# Altium PCB Test.PcbDoc (part 2 of 7) (continued)
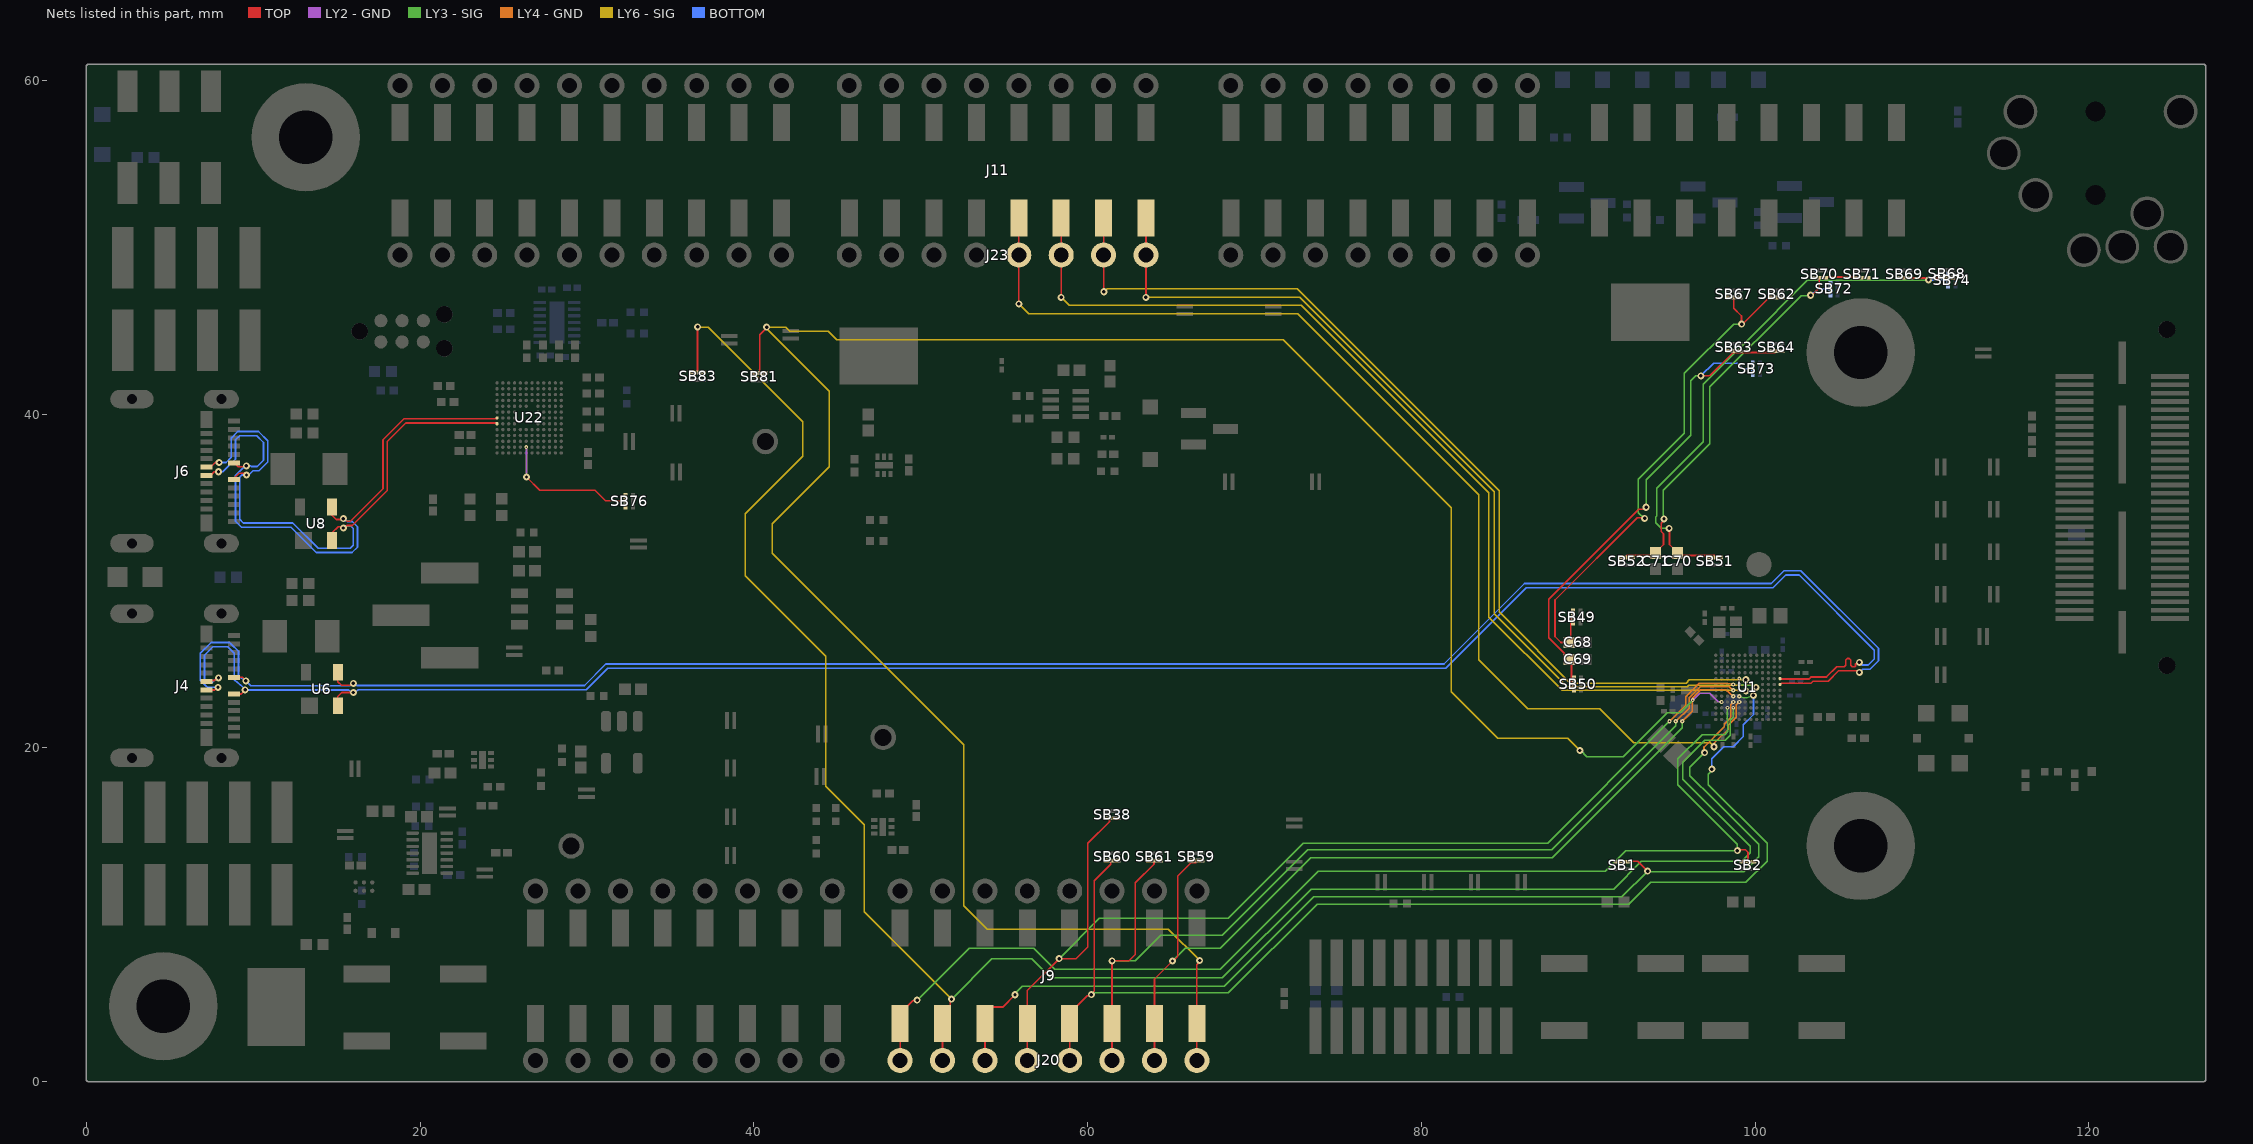
[diagram p8: the nets of this part, all layers, seen from the top]
## Part data (continued)
R76: library part CRCW04021K00FKED, "Res Thick Film 0402 1K Ohm 1% 1/16W ?00ppm/癈 Molded SMD Paper T/R", Case Code (Imperial)=0402, Case Code (Metric)=1005, Manufacturer="Vishay Dale", Max Operating Temperature=155癈, Max Power Dissipation=63mW, Min Operating Temperature=-55癈, Package Quantity=10, Resistance=1kR, Resistance Tolerance=1%, Resistor Type="Thick Film", Supplier Part Number 1=6788872, Temperature Coefficient=100ppm/癈, Voltage Rating=50V, AMBIQ PN=CRCW04021K00FKED, Case/Package=0402, Category="Chip SMD Resistors", ComponentLink1Description=https://datasheet.ciiva.com/11808/0900766b80d98824-11808638.pdf, ComponentLink1URL=https://datasheet.ciiva.com/11808/0900766b80d98824-11808638.pdf, ComponentLink2Description=https://datasheet.ciiva.com/2463/dcrcwe3-2463028.pdf, ComponentLink2URL=https://datasheet.ciiva.com/2463/dcrcwe3-2463028.pdf, ComponentLink3URL=https://datasheet.ciiva.com/2463/dcrcwe3-2463029.pdf, Construction=Rectangular, Contact Plating=Tin, Depth=0.5mm, Features="Automotive AEC-Q200", Height=0.35mm, Lead Free="Lead Free", Length=1mm, Manufacturer Part Number=CRCW04021K00FKED, Military Standard=Not, Mount="Surface Mount", Number of Pins=2, Number of Terminations=2, Packaging="Tape and Reel", Power Rating=63mW, Pricing 1="50=0.04800, 500=0.04400, 1000=0.04000, 2000=0.03500, 4000=0.03100 (GBP)", Radiation Hardening=No, REACH SVHC=Unknown, RoHS=Yes, RoHS Compliant=Yes, Series=CRCW, Size Code=0402, Stock 1=9350, Supplier 1=RSComponents, Technology="THICK FILM", Termination=SMD/SMT, Tolerance=1%, Voltage Rating (DC)=50V, Weight=2.3E-05oz, Width=0.5mm
R79: library part CRCW0402178KFKED, "Res Thick Film 0402 178K Ohm 1% 1/16W ?00ppm/癈 Molded SMD SMD Paper T/R", Case Code (Imperial)=0402, Case Code (Metric)=1005, Manufacturer=Vishay, Max Operating Temperature=155癈, Max Power Dissipation=63mW, Min Operating Temperature=-55癈, Package Quantity=10, Resistance=178kR, Resistance Tolerance=1%, Resistor Type="Thick Film", Supplier Part Number 1=71-CRCW0402-178K-E3, Temperature Coefficient=100ppm/癈, Voltage Rating=50V, AMBIQ PN=CRCW0402178KFKED, Case/Package=0402, Category="Chip SMD Resistors", ComponentLink1Description=https://datasheet.ciiva.com/11809/0900766b80d98824-11809658.pdf?src-supplier=RSComponents, ComponentLink1URL=https://datasheet.ciiva.com/11809/0900766b80d98824-11809658.pdf?src-supplier=RSComponents, ComponentLink2Description=https://datasheet.ciiva.com/6062/1697337-6062014.pdf?src-supplier=Farnell, ComponentLink2URL=https://datasheet.ciiva.com/6062/1697337-6062014.pdf?src-supplier=Farnell, ComponentLink3URL=https://datasheet.ciiva.com/3256/dcrcwe3-3256108.pdf?src-supplier=Avnet, Construction=Rectangular, Contact Plating=Tin, Depth=0.5mm, Features="Automotive AEC-Q200", Height=0.35mm, Lead Free="Lead Free", Length=1mm, Manufacturer Part Number=CRCW0402178KFKED, Military Standard=Not, Mount="Surface Mount", Number of Pins=2, Number of Terminations=2, Packaging="Tape and Reel", Power Rating=63mW, Pricing 1="1=0.11000, 10=0.04200, 50=0.04200, 100=0.01700, 1000=0.00900, 2500=0.00800, 5000=0.00700, 10000=0.00500 (USD)", Radiation Hardening=No, REACH SVHC=Unknown, RoHS=Yes, RoHS Compliant=Yes, Series=CRCW, Stock 1=9510, Supplier 1=Mouser, Technology="THICK FILM", Termination=SMD/SMT, Tolerance=1%, Voltage Rating (DC)=50V, Weight=2.3E-05oz, Width=0.02inch
R81: library part CRCW0201100KJNED, "Res Thick Film 0201 100K Ohm 5% 1/20W ?00ppm/癈 Molded SMD SMD Paper T/R", Case Code (Imperial)=0201, Case Code (Metric)=0603, Manufacturer="Vishay Dale", Max Operating Temperature=155癈, Max Power Dissipation=50mW, Min Operating Temperature=-55癈, Package Quantity=1, Resistance=100kR, Resistor Type="Thick Film", Temperature Coefficient=200ppm/癈, Tolerance=5%, Voltage Rating=30V, AMBIQ PN=CRCW0201100KJNED, Case/Package=0201, Category="Chip SMD Resistors", ComponentLink1Description=https://datasheet.ciiva.com/2498/crcw0201e3-2498780.pdf?src-supplier=Digi-Key, ComponentLink1URL=https://datasheet.ciiva.com/2498/crcw0201e3-2498780.pdf?src-supplier=Digi-Key, ComponentLink2Description=https://datasheet.ciiva.com/2498/crcw0201e3-2498781.pdf?src-supplier=Digi-Key, ComponentLink2URL=https://datasheet.ciiva.com/2498/crcw0201e3-2498781.pdf?src-supplier=Digi-Key, ComponentLink3URL=https://datasheet.ciiva.com/2498/crcw0201e3-2498779.pdf?src-supplier=Digi-Key, Contact Plating=Tin, Depth=0.3mm, Height=0.011inch, Lead Free="Lead Free", Length=0.6mm, Manufacturer Part Number=CRCW0201100KJNED, Military Standard=Not, Number of Pins=2, Number of Terminations=2, Packaging="Tape and Reel", Power Rating=50mW, Pricing 1="1=0.04320, 10=0.03110, 25=0.01910, 100=0.01380, 250=0.01370, 500=0.01360, 1000=0.00820, 3000=0.00460 (USD)", Radiation Hardening=No, REACH SVHC=Unknown, RoHS=Yes, RoHS Compliant=Yes, Stock 1=9000, Supplier 1="Arrow Electronics", Supplier Part Number 1=CRCW0201100KJNED, Voltage Rating (DC)=30V, Weight=6E-06oz, Width=0.3mm
SB1 SB2 SB9 SB10 SB11 SB12 SB13 SB17 SB30 SB31 SB32 SB33 SB34 SB35 SB36 SB40 SB42 SB43 SB44 SB45 SB47 SB53 SB54 SB55 SB56 SB58 SB59 SB60 SB61 SB62 SB63 SB67 SB68 SB69 SB70 SB75 SB76 SB77 SB78 SB79 SB80 SB81 SB82 SB83: library part SBS, "None", AMBIQ PN=SBS
SB3 SB4 SB5 SB6 SB7 SB8 SB15 SB16 SB37 SB38 SB39: "None"
  SB3 SB4 SB5 SB15: AMBIQ PN=SBO
  SB6 SB7 SB8 SB16 SB37 SB38 SB39: AMBIQ PN=SBS
SB48 SB49 SB50 SB51 SB52 SB64 SB71 SB72 SB73 SB74: library part SBO, "None", AMBIQ PN=SBO
SS1 SS2 SS3 SS4: library part 25502, "None", Color=Natural, Manufacturer="Keystone Electronics", Package Quantity=100, Supplier Part Number 1=5068490, AMBIQ PN=25502, Category="Spacers, Standoffs", ComponentLink1Description=http://www.keyelco.com/pdfs/M60/M60p72.pdf?src-supplier=Digi-Key, ComponentLink1URL=http://www.keyelco.com/pdfs/M60/M60p72.pdf?src-supplier=Digi-Key, ComponentLink2Description=http://www.keyelco.com/product-pdf.cfm?p=4539&src-supplier=Digi-Key, ComponentLink2URL=http://www.keyelco.com/product-pdf.cfm?p=4539&src-supplier=Digi-Key, ComponentLink3Description=http://www.keyelco.com/product.cfm/M3-x-5-0mm-Metric-Thread/25502/product_id/4540?src-supplier=Mouser, ComponentLink3URL=http://www.keyelco.com/product.cfm/M3-x-5-0mm-Metric-Thread/25502/product_id/4540?src-supplier=Mouser, Gender="Male, Female", Lead Free="Lead Free", Length=0.787inch, Manufacturer Part Number=25502, Material=Nylon, Outside Diameter=0.217inch, Pricing 1="100=0.38000, 400=0.32500, 1500=0.31500, 2500=0.31000, 5000=0.30500 (USD)", RoHS=Yes, Series=-, Size=0.197inch, Stock 1=439, Supplier 1="Future Electronics", Thread Size=M3, Threaded/Unthreaded=Threaded
SW1 SW2 SW3: library part KSC441J70SHLFS, "None", Contact Current Rating=50mA, Manufacturer="ITT C&K", Max Operating Temperature=85癈, Max Voltage Rating (DC)=32V, Min Operating Temperature=-40癈, Operating Force=5N, Package Quantity=1000, Power Rating=1W, Supplier Part Number 1=95W3295, Actuator Length=2.6mm, Actuator Type=Standard, AMBIQ PN=KSC441J70SHLFS, Category="Tactile Switches", Contact Material=Silver, Contact Plating=Silver, Current Rating=50mA, Depth=6.8mm, Illumination Type=Non-Illuminated,Illuminated, Length=6.2mm, Manufacturer Part Number=KSC441J70SHLFS, Max Current Rating=50mA, Mechanical Life=300000Cycles, Mount="Surface Mount", Orientation=Straight, Packaging="Tape and Reel", Pricing 1="1=0.62700, 10=0.61200, 25=0.59100, 50=0.55000, 100=0.50900, 250=0.47500 (USD)", RoHS=Yes, Series=KSC, Size=6.2mm, Stock 1=1740, Supplier 1=Newark, Switch Function=Off-Mom, Switch Travel=0.75mm, Termination=J-Bend, Throw Configuration=SPST, Voltage Rating (DC)=32V
SW4: "None", Actuator Color=Black, Contact Current Rating=300mA, Contact Resistance=70mR, Flammability Rating="UL94 V-2", Manufacturer="ITT C&K", Max Operating Temperature=85癈, Max Voltage Rating (DC)=6V, Min Operating Temperature=-20癈, Package Quantity=1, Actuator Length=2mm, Actuator Material=Nylon,Polyamide,PA46, Actuator Type=Standard, AMBIQ PN=JS202011SCQN, Category="Slide Switches", ComponentLink1Description=https://datasheet.ciiva.com/2889/js-29aug13-2889127.pdf?src-supplier=Digi-Key, ComponentLink1URL=https://datasheet.ciiva.com/2889/js-29aug13-2889127.pdf?src-supplier=Digi-Key, ComponentLink2Description=https://datasheet.ciiva.com/23829/1707718-23829488.pdf?src-supplier=Newark, ComponentLink2URL=https://datasheet.ciiva.com/23829/1707718-23829488.pdf?src-supplier=Newark, ComponentLink3Description=https://datasheet.ciiva.com/22630/1707718-22630697.pdf?src-supplier=Element14, ComponentLink3URL=https://datasheet.ciiva.com/22630/1707718-22630697.pdf?src-supplier=Element14, ComponentLink4Description=https://datasheet.ciiva.com/2889/js-15sept15-2889128.pdf?src-supplier=Digi-Key, ComponentLink4URL=https://datasheet.ciiva.com/2889/js-15sept15-2889128.pdf?src-supplier=Digi-Key, ComponentLink5Description=https://datasheet.ciiva.com/2889/js-15sept15-2889129.pdf?src-supplier=Digi-Key, ComponentLink5URL=https://datasheet.ciiva.com/2889/js-15sept15-2889129.pdf?src-supplier=Digi-Key, ComponentLink6Description=https://datasheet.ciiva.com/8625/js-9dec14-8625470.pdf?src-supplier=Avnet, ComponentLink6URL=https://datasheet.ciiva.com/8625/js-9dec14-8625470.pdf?src-supplier=Avnet, Contact Material="Copper Alloy", Contact Plating=Silver, Current Rating=300mA, Depth=7.5mm, Electrical Life=5000Cycles, Housing Material=Nylon, Lead Free="Lead Free", Length=9mm, Manufacturer Part Number=JS202011SCQN, Max Current Rating=300mA, Mount="Surface Mount", Orientation=Vertical, Packaging="Tape and Reel", Pricing 1="1=0.49180, 10=0.48690, 25=0.45850, 100=0.40340, 250=0.35430, 500=0.33760, 1000=0.29540, 3000=0.27960, 6000=0.26000 (USD)", Radiation Hardening=No, REACH SVHC="No SVHC", RoHS=Yes, RoHS Compliant=Yes, Series=JS, Stock 1=6839, Supplier 1="Arrow Electronics", Supplier Part Number 1=JS202011SCQN, Switch Function=On-On, Switch Travel=2mm, Termination="Gull Wing", Throw Configuration=DPDT, Voltage Rating (DC)=6V
TP1 TP8 TP9: library part TP_PAD, "None", AMBIQ PN=TP_PAD
TP2 TP3 TP4: library part 5117, "None", Color=Blue, Flammability Rating="UL94 V-0", Manufacturer="Keystone Electronics", Package Quantity=100, Supplier Part Number 1=95M2479, AMBIQ PN=5117, Body Material=PBT, Category=Uncategorized, ComponentLink1Description=https://datasheet.ciiva.com/2917/m60-2p60-2917660.pdf?src-supplier=Digi-Key, ComponentLink1URL=https://datasheet.ciiva.com/2917/m60-2p60-2917660.pdf?src-supplier=Digi-Key, ComponentLink2Description=https://datasheet.ciiva.com/16886/70182825-16886140.pdf?src-supplier=Allied+Electronics, ComponentLink2URL=https://datasheet.ciiva.com/16886/70182825-16886140.pdf?src-supplier=Allied+Electronics, Contact Material=Bronze, Contact Plating=Silver, Height=0.3inch, Lead Free="Lead Free", Manufacturer Part Number=5117, Material=Nylon,Bronze, Mount="Through Hole,PCB", Number of Pins=1, Packaging=Bulk, Pricing 1="1=0.37200, 10=0.35700, 100=0.26000, 500=0.22900, 1000=0.19700, 2500=0.18400, 10000=0.15500 (USD)", REACH SVHC="No SVHC", RoHS=Yes, RoHS Compliant=Yes, Series=THM, Stock 1=8464, Supplier 1=Newark
TP5 TP6 TP7: library part 5016, "None", Color=White, Manufacturer="Keystone Electronics", Package Quantity=1, Supplier Part Number 1=57J1845, AMBIQ PN=5016, Category=Connectors, ComponentLink1Description=https://datasheet.ciiva.com/6737/5016-6737476.pdf?src-supplier=Newark, ComponentLink1URL=https://datasheet.ciiva.com/6737/5016-6737476.pdf?src-supplier=Newark, ComponentLink2Description=https://datasheet.ciiva.com/4598/m60p61-29490-4598593.pdf?src-supplier=Mouser, ComponentLink2URL=https://datasheet.ciiva.com/4598/m60p61-29490-4598593.pdf?src-supplier=Mouser, ComponentLink3Description=https://datasheet.ciiva.com/16311/m60-2p61-16311518.pdf?src-supplier=Future+Electronics, ComponentLink3URL=https://datasheet.ciiva.com/16311/m60-2p61-16311518.pdf?src-supplier=Future+Electronics, ComponentLink4Description=https://datasheet.ciiva.com/16884/70182998-16884102.pdf?src-supplier=Allied+Electronics, ComponentLink4URL=https://datasheet.ciiva.com/16884/70182998-16884102.pdf?src-supplier=Allied+Electronics, ComponentLink5Description=https://datasheet.ciiva.com/2917/5016-2917611.pdf?src-supplier=Digi-Key, ComponentLink5URL=https://datasheet.ciiva.com/2917/5016-2917611.pdf?src-supplier=Digi-Key, ComponentLink6Description=https://datasheet.ciiva.com/2917/5016-2917612.pdf?src-supplier=Digi-Key, ComponentLink6URL=https://datasheet.ciiva.com/2917/5016-2917612.pdf?src-supplier=Digi-Key, ComponentLink7Description=https://datasheet.ciiva.com/2917/5016-2917613.pdf?src-supplier=Digi-Key, ComponentLink7URL=https://datasheet.ciiva.com/2917/5016-2917613.pdf?src-supplier=Digi-Key, Contact Material=Bronze, Contact Plating=Silver, Depth=2.48mm, Height=0.09inch, Insulation Material=Polycarbonate, Lead Free="Lead Free", Length=3.81mm, Manufacturer Part Number=5016, Material=Bronze,Silver, Mount="Surface Mount", Number of Ports=1, Orientation=Straight, Packaging="Tape and Reel", Pricing 1="1=0.15400, 1000=0.15300, 2000=0.14700, 4000=0.14100, 6000=0.13500 (USD)", REACH SVHC="No SVHC", RoHS=Yes, RoHS Compliant=Yes, Series=-, Stock 1=35000, Supplier 1=Newark, Termination=Solder
U1: library part APOLLO4BPKXR, "None", Manufacturer=AMBIQ, AMBIQ PN=APOLLO4BPKXR, Category=Microcontrollers, IC Type=MCU, Manufacturer Part Number=AMA4B2KK-KXR-B2
U2 U3 U4: "None", Dropout Voltage=140mV, Manufacturer="ON Semiconductor", Max Input Voltage=5.5V, Max Operating Temperature=85癈, Max Output Current=500mA, Max Output Voltage=3.6V, Min Current Limit=550mA, Min Input Voltage=800mV, Min Operating Temperature=-40癈, Package Quantity=3000, Power Supply Rejection Ratio (PSRR)=70dB, Accuracy=0.5%, AMBIQ PN=NCP133AMXADJTCG, Category="Voltage Regulators - Linear", ComponentLink1Description=https://datasheet.ciiva.com/46403/1863238-46403671.pdf?src-supplier=Element14, ComponentLink1URL=https://datasheet.ciiva.com/46403/1863238-46403671.pdf?src-supplier=Element14, Contact Plating=Tin,Matte, Height=0.4mm, Lead Free="Lead Free", Length=1.2mm, Manufacturer Part Number=NCP133AMXADJTCG, Min Output Voltage=800mV, Mount="Surface Mount", Number of Outputs=1, Number of Pins=6, Number of Regulators=1, Output Current=500mA, Output Type=Adjustable, Output Voltage=3.6V, Packaging="Tape and Reel", Polarity=Positive, Pricing 1="1=0.67860, 10=0.59180, 100=0.45310, 250=0.42120, 500=0.35830, 1000=0.28640, 3000=0.26440 (USD)", REACH SVHC="No SVHC", Reference Voltage=800mV, RoHS=Yes, RoHS Compliant=Yes, Stock 1=50943, Supplier 1="Arrow Electronics", Supplier Part Number 1=NCP133AMXADJTCG, Width=1.2mm
U5: "None", Manufacturer="Texas Instruments", Supplier Part Number 1=595-TPS7A0218DBVR, AMBIQ PN=TPS7A0218DBVR, Category="Voltage Regulators - Linear", Manufacturer Part Number=TPS7A0218DBVR, Pricing 1="1=1.58000, 10=1.42000, 25=1.35000, 50=1.35000, 100=1.11000, 250=1.04000, 500=0.91300, 1000=0.72100, 3000=0.69600, 10000=0.69600", RoHS=No, Stock 1=2935, Supplier 1=Mouser
U6 U8: library part PRTR5V0U2X,215, "None", Manufacturer=Nexperia, AMBIQ PN=PRTR5V0U2X,215, Category="ESD and Circuit Protection ICs", ComponentLink1Description=http://www.farnell.com/datasheets/109718.pdf?src-supplier=Farnell, ComponentLink1URL=http://www.farnell.com/datasheets/109718.pdf?src-supplier=Farnell, ComponentLink2Description=https://assets.nexperia.com/documents/data-sheet/PRTR5V0U2X.pdf?src-supplier=Digi-Key, ComponentLink2URL=https://assets.nexperia.com/documents/data-sheet/PRTR5V0U2X.pdf?src-supplier=Digi-Key, Manufacturer Part Number=PRTR5V0U2X,215, Pricing 1="3000=0.18050, 6000=0.16890, 15000=0.15880 (USD)", RoHS=Yes, RoHS Compliant=Yes, Stock 1=234000, Supplier 1="Arrow Electronics", Supplier Part Number 1=PRTR5V0U2X,215
U7: "None", Case/Package=TSOP, Current Rating=2.1A, Manufacturer="ON Semiconductor", Max Input Voltage=5.5V, Max Operating Temperature=85癈, Max Output Current=1A, Max Power Dissipation=350mW, Min Input Voltage=2.5V, Min Operating Temperature=-40癈, On-State Resistance=70mR, On-state Resistance-Max=110MR, Package Quantity=1, Supplier Part Number 1=42Y0754, AMBIQ PN=NCP380LSNAJAAT1G, Category="USB Interface ICs", Height=1mm, Interface=On/Off, Length=3mm, Manufacturer Part Number=NCP380LSNAJAAT1G, Mount="Surface Mount", Number of Inputs=2, Number of Outputs=1, Number of Pins=6, Number of Switches=1, Operating Supply Voltage=5.5V, Output Configuration="High Side", Packaging="Tape and Reel", Pricing 1="1=0.83000, 10=0.73100, 25=0.68600, 50=0.62300, 100=0.56000, 250=0.52000, 500=0.44300, 1000=0.35400 (USD)", Radiation Hardening=No, Rated Current-Max=2.1A, RoHS=Yes, Series=-, Stock 1=1700, Supplier 1=Newark, Turn-Off Delay Time=3ms, Turn-On Delay Time=4ms, Width=1.5mm
U14: "None", Case/Package=SC, Input Bias Current=0.01pA, Input Offset Voltage (Vos)=10uV, Manufacturer=Maxim, Max Operating Temperature=125癈, Max Supply Voltage=5.5V, Min Operating Temperature=-40癈, Min Supply Voltage=1.8V, Nominal Supply Current=1uA, Operating Supply Current=650uA, Output Current per Channel=50mA, Package Quantity=2500, Supplier Part Number 1=6085643, Voltage Gain=115dB, AMBIQ PN=MAX44263AXA+T, Amplifier Type="GENERAL PURPOSE", Bandwidth=15MHz, Category="Amplifiers - Op Amps, Buffer, Instrumentation", Common Mode Rejection Ratio=75dB, ComponentLink1Description=https://datasheet.ciiva.com/14084/max44260-max44263-14084824.pdf?src-supplier=Digi-Key, ComponentLink1URL=https://datasheet.ciiva.com/14084/max44260-max44263-14084824.pdf?src-supplier=Digi-Key, Gain Bandwidth Product=15MHz, Manufacturer Part Number=MAX44263AXA+T, Mount="Surface Mount", Number of Amplifiers=2, Number of Channels=2, Number of Circuits=2, Number of Pins=8, Packaging="Tape and Reel", Pricing 1="2500=1.52000, 5000=1.49000 (USD)", REACH SVHC=Unknown, RoHS=Yes, RoHS Compliant=Yes, Series=-, Slew Rate=7V/祍, Stock 1=2500, Supplier 1="Future Electronics", Supply Current=1uA, Technology=CMOS
U15 U18: library part TPS22976DPUT, "None", Dropout Voltage=250mV, Input Bias Current=120uA, Manufacturer="Texas Instruments", Max Input Voltage=6V, Max Operating Temperature=105癈, Max Output Current=6A, Max Output Voltage=5V, Min Input Voltage=2.3V, Min Operating Temperature=-40癈, Min Output Voltage=800mV, Output Current=1A, Output Voltage Accuracy=0.5%, Package Quantity=4000, Quiescent Current=220uA, Reference Voltage=410mV, Accuracy=0.5%, AMBIQ PN=TPS22976DPUT, Category="Power Management ICs", ComponentLink1Description=http://www.ti.com/general/docs/suppproductinfo.tsp?distId=10&amp;gotoUrl=http%3A%2F%2Fwww.ti.com%2Flit%2Fgpn%2Ftps22976&src-sup, ComponentLink1URL=http://www.ti.com/general/docs/suppproductinfo.tsp?distId=10&amp;gotoUrl=http%3A%2F%2Fwww.ti.com%2Flit%2Fgpn%2Ftps22976&src-sup, ComponentLink2Description=https://datasheet.ciiva.com/41458/001085984-da-01-en-ic-reg-ld-mcp1826t-adje-dc-sot-223-5-mcp-41458757.pdf?src-supplier=Conrad, ComponentLink2URL=https://datasheet.ciiva.com/41458/001085984-da-01-en-ic-reg-ld-mcp1826t-adje-dc-sot-223-5-mcp-41458757.pdf?src-supplier=Conrad, Fault Protection="Over Temperature", Halogen Free="Halogen Free", Height=0.065inch, Interface=On/Off, Lead Free="Lead Free", Length=0.257inch, Manufacturer Part Number=TPS22976DPUT, Max Supply Voltage=6V, Min Supply Voltage=2.3V, Number of Channels=2, Number of Outputs=2, Number of Pins=14, Output Configuration="High Side", Output Type=Adjustable, Output Voltage=5V, Packaging="Tape and Reel", Polarity=Positive, Pricing 1="1=0.70530, 10=0.67280, 25=0.64030, 100=0.60770, 250=0.57510 (USD)", Radiation Hardening=No, REACH SVHC="No SVHC", RoHS=Yes, RoHS Compliant=Yes, Stock 1=250, Supplier 1="Arrow Electronics", Supplier Part Number 1=TPS22976DPUT, Termination=SMD/SMT, Width=0.14inch
U16: library part TPS22922YFPR, "None", Manufacturer="Texas Instruments", Max Input Voltage=3.6V, Max Operating Temperature=85癈, Max Output Current=2A, Max Power Dissipation=645mW, Min Input Voltage=900mV, Min Operating Temperature=-40癈, Nominal Supply Current=120nA, On-State Resistance=45mR, Package Quantity=3000, Quiescent Current=200nA, AMBIQ PN=TPS22922YFPR, Category="Hot Swap Controllers", ComponentLink1Description=https://datasheet.ciiva.com/15103/getdatasheetpartid-215983-15103996.pdf?src-supplier=Verical, ComponentLink1URL=https://datasheet.ciiva.com/15103/getdatasheetpartid-215983-15103996.pdf?src-supplier=Verical, ComponentLink2Description=https://datasheet.ciiva.com/1962/tps22921-1962551.pdf?src-supplier=Digi-Key, ComponentLink2URL=https://datasheet.ciiva.com/1962/tps22921-1962551.pdf?src-supplier=Digi-Key, ComponentLink3Description=https://datasheet.ciiva.com/1962/tps22921-1962550., ComponentLink3URL=https://datasheet.ciiva.com/1962/tps22921-1962550., ComponentLink4Description=https://datasheet.ciiva.com/1962/tps22921-1962552., ComponentLink4URL=https://datasheet.ciiva.com/1962/tps22921-1962552., ComponentLink5Description=https://datasheet.ciiva.com/3233/tps22922b-3233573, ComponentLink5URL=https://datasheet.ciiva.com/3233/tps22922b-3233573, ComponentLink6Description=https://datasheet.ciiva.com/3234/ncp380-d-3234430., ComponentLink6URL=https://datasheet.ciiva.com/3234/ncp380-d-3234430., ComponentLink7Description=https://datasheet.ciiva.com/1939/ncp380-d-1939781., ComponentLink7URL=https://datasheet.ciiva.com/1939/ncp380-d-1939781., ComponentLink8Description=https://datasheet.ciiva.com/1939/ncp380-d-1939782., ComponentLink8URL=https://datasheet.ciiva.com/1939/ncp380-d-1939782., ComponentLink9Description=https://datasheet.ciiva.com/1939/ncp380-d-1939783., ComponentLink9URL=https://datasheet.ciiva.com/1939/ncp380-d-1939783., ComponentLink10Description=https://datasheet.ciiva.com/16468/ncp380-d-1646871, ComponentLink10URL=https://datasheet.ciiva.com/16468/ncp380-d-1646871, Halogen Free="Halogen Free", Interface=On/Off, Lead Free="Lead Free", Manufacturer Part Number=TPS22922YFPR, Number of Channels=1, Number of Outputs=1, Number of Pins=6, Operating Supply Voltage=3.6V, Output Configuration="High Side", Output Current=2A, Packaging="Tape and Reel", Power Dissipation=645mW, Pricing 1="1=0.96850, 10=0.86300, 25=0.81190, 100=0.66430, 250=0.61530, 500=0.53900, 1000=0.42280 (USD)", Radiation Hardening=No, Reach SVHC Compliant=Yes, RoHS=Yes, RoHS Compliant=Yes, Series=TPS22922, Stock 1=2092, Supplier 1="Arrow Electronics", Supplier Part Number 1=TPS22922YFPR, Supply Current=120nA, Turn-Off Delay Time=139us, Turn-On Delay Time=45us
U22: library part APOLLO4, "None", Manufacturer=AMBIQ, AMBIQ PN=APOLLO4, Category=Microcontrollers, IC Type=MCU, Manufacturer Part Number=AMAP42KK-KBR
Y1: library part ABM12W-32.0000MHZ-6-D1X-T3, "NONE", Case/Package=SMD/SMT, ESR (Equivalent Series Resistance)=100R, Frequency Stability=20ppm, Frequency Tolerance=10ppm, Load Capacitance=6pF, Manufacturer=Abracon, Max Operating Temperature=85癈, Min Operating Temperature=-40癈, Supplier Part Number 1=815-12W32-6D1XT, AMBIQ PN=ABM12W-32.0000MHZ-6-D1X-T3, Category=Crystals, ComponentLink1Description=https://abracon.com/Resonators/ABM12W.pdf?src-supplier=Digi-Key, ComponentLink1URL=https://abracon.com/Resonators/ABM12W.pdf?src-supplier=Digi-Key, Frequency=32MHz, Manufacturer Part Number=ABM12W-32.0000MHZ-6-D1X-T3, Mount="Surface Mount", Packaging="Tape and Reel", Pricing 1="1=0.99000, 10=0.88400, 50=0.88400, 100=0.73000, 1000=0.57600, 10000=0.53700 (USD)", RoHS=Yes, RoHS Compliant=Yes, Stock 1=2341, Supplier 1=Mouser
Y2: library part 9HT12-32.768KDZY-T, "NONE", Case/Package=SMD/SMT, ESR (Equivalent Series Resistance)=90kR, Frequency Tolerance=20ppm, Load Capacitance=7pF, Manufacturer=TXC, Max Operating Temperature=85癈, Min Operating Temperature=-40癈, Supplier Part Number 1=45AC5777, AMBIQ PN=9HT12-32.768KDZY-T, Category=Crystals, ComponentLink1Description=http://www.txccrystal.com/images/pdf/number-crystal-khz.pdf?src-supplier=Digi-Key, ComponentLink1URL=http://www.txccrystal.com/images/pdf/number-crystal-khz.pdf?src-supplier=Digi-Key, ComponentLink2Description=http://www.txccrystal.com/images/pdf/9ht12.pdf?src-supplier=Digi-Key, ComponentLink2URL=http://www.txccrystal.com/images/pdf/9ht12.pdf?src-supplier=Digi-Key, Frequency=32.768kHz, Height=0.02inch, Lead Free="Lead Free", Length=0.063inch, Manufacturer Part Number=9HT12-32.768KDZY-T, Mount="Surface Mount", Packaging="Tape and Reel", Pricing 1="1=1.39000, 10=1.33000, 25=1.26000, 50=1.19000, 100=1.12000 (USD)", RoHS=Yes, Stock 1=2496, Supplier 1=Newark, Width=0.039inch

## Free pads (board coordinates)
  round 1.653 on Mech12: 1(-153.179,-241.844) 1(-146.928,-431.241) 1(108.641,-241.844) 1(114.892,-431.241)
  round 3.127 on Mech12: 1(-153.179,-241.844) 1(-146.928,-431.241) 1(108.641,-241.844) 1(114.892,-431.241)
  round 0.008 on Mech12: 1(116.567,-205.676) 1(116.567,-205.676) 1(116.567,-200.777) 1(122.818,-395.073) 1(122.818,-395.073) 1(122.818,-390.174) 1(896.625,-201.294) 1(896.625,-201.294) 1(896.625,-196.395)

## Via types
v1: diameter 0.422, hole 0.203, TOP to BOTTOM, tented both sides, 1327 vias
v2: diameter 0.17/0.203/0.229 (per signal layer), hole 0.102, TOP to LY3 - SIG, tented both sides, 58 vias
v3: diameter 0.17/0.229 (per signal layer), hole 0.102, TOP to LY2 - GND, tented both sides, 56 vias
v4: diameter 0.17/0.229/0.229/0.254 (per signal layer), hole 0.102, TOP to LY4 - GND, tented both sides, 35 vias
v5: diameter 0.422/0.422/0.422/0.422 (per signal layer), hole 0.203, LY3 - SIG to LY6 - SIG, tented both sides, 18 vias
v6: diameter 0.229/0.17 (per signal layer), hole 0.102, LY7 - GND to BOTTOM, tented both sides, 11 vias
v7: diameter 0.229/0.203/0.17 (per signal layer), hole 0.102, LY6 - SIG to BOTTOM, tented both sides, 10 vias

## Nets (pads, with @x,y where several pads share a name; then routed paths per layer and width w, separated by ;. In a path a pad name is that pad's centre, name@x,y a point inside that pad or via, vN(x,y) a via of type N, cw(c..) or ccw(c..) an arc to the next point about the centre after c; other vN are vias at no path point)
\\R\E\S\E\T\: SB76.1 U22.G12 | length 8.3
  TOP w0.102: v1(26.381,36.23) 27.178,35.433 30.48,35.433 31.115,34.798 32.292,34.798 SB76.1@32.317,34.773
  LY2 - GND w0.102: v1(26.381,36.23) v3@26.381,37.998
  other v3: 26.362,38.018
ADC0_CTS23_I2S1DIN_GP19: J9.2 J20.1 SB2.1 U1.C3 | length 71.4
  TOP w0.102: J20.1@48.768,1.27 48.768,4.092 49.513,4.837 49.744,4.837 v1(49.784,4.877) ; v1(98.933,13.843) 98.978,13.888 99.426,13.888 99.568,13.746 SB2.1@99.568,13.174
  LY3 - SIG w0.089: v1(49.784,4.877) 52.908,8.001 56.769,8.001 58.039,6.731 67.945,6.731 73.817,12.603 91.017,12.603 92.257,13.843 v1(98.933,13.843) 98.933,14.224 95.377,17.78 95.377,19.336 96.834,20.794 98.164,20.794 98.355,20.984 98.355,21.729 98.343,21.741 v2(98.343,22.397)
ADC1_I2S1WS_CTS01_GP18: J9.4 J20.2 SB83.2 U1.D3 | length 121.1
  TOP w0.102: SB83.2@36.627,42.486 36.627,45.228 v1(36.629,45.23) ; J20.2@51.308,1.27 J9.4@51.308,3.492 51.768,3.952 51.768,4.782 51.846,4.86 v1(51.846,4.946)
  LY3 - SIG w0.089: v1(51.846,4.946) 54.265,7.366 56.642,7.366 57.785,6.223 68.072,6.223 73.39,11.541 91.514,11.541 93.181,13.208 99.187,13.208 99.695,13.716 99.695,14.097 95.668,18.124 95.668,19.123 96.992,20.447 98.222,20.447 98.52,20.745 98.52,21.66 98.693,21.833 v2(98.693,22.397)
  LY6 - SIG w0.089: v1@36.703,45.212 37.257,45.212 42.926,39.543 42.926,37.468 39.497,34.039 39.497,30.307 44.305,25.499 44.305,17.691 46.609,15.388 46.609,10.183 v1(51.846,4.946)
ADC2_I2S1DAT_RTS3_I2S1DOUT_GP17: J9.6 J20.3 SB1.1 U1.D4 | length 67.1
  TOP w0.102: J20.3@53.848,1.27 53.848,4.079 54.234,4.465 54.914,4.465 v1(55.653,5.204) ; SB1.1@92.025,13.174 92.025,13.211 92.962,13.211 v1(93.557,12.615)
  LY3 - SIG w0.089: v1(55.653,5.204) 55.653,5.287 56.081,5.715 68.199,5.715 73.56,11.076 92.018,11.076 v1(93.557,12.615) 93.6,12.573 99.314,12.573 100.203,13.462 100.203,14.224 97.536,16.891 96.089,18.338 96.089,18.844 96.957,19.711 v1(96.971,19.711)
  LY4 - GND w0.076: 98.146,21.255 98.146,21.412 98.527,21.793 98.527,22.581 v4(98.693,22.747)
  LY4 - GND w0.102: v1(96.971,19.711) 96.942,19.741 96.942,20.051 98.146,21.255
ADC3_I2S1CK_RTS1_GP16: J9.8 J20.4 SB38.1 U1.D7 | length 64.8
  TOP w0.102: J20.4@56.388,1.27 J9.8@56.388,3.492 56.388,5.461 v1(58.293,7.366) 59.309,7.366 60.012,8.069 60.012,14.273 61.311,15.571 61.311,15.715 61.378,15.782 SB38.1@61.468,15.782
  LY3 - SIG w0.089: v1(58.293,7.366) 60.706,9.779 68.428,9.779 72.93,14.28 87.559,14.28 94.742,21.463 v4(94.869,21.59)
  LY4 - GND w0.076: v4(94.869,21.59) 95.834,22.555 95.834,23.063 96.647,23.876 98.369,23.876 v4(98.693,23.797)
ADC4_RX3_REFCLK_GP15: J9.10 J20.5 SB60.1 U1.E5 | length 70.6
  TOP w0.102: J20.5@58.928,1.27 J9.10@58.928,3.48 ; J9.10@58.928,3.492 59.36,3.924 59.36,4.524 59.388,4.552 59.39,4.552 59.984,5.146 60.162,5.146 v1(60.223,5.207) 60.223,5.25 60.4,5.427 60.4,12.039 61.393,13.031 61.393,13.176 SB60.1@61.459,13.242
  LY3 - SIG w0.089: v1(60.223,5.207) 60.313,5.207 60.431,5.324 68.443,5.324 73.747,10.628 92.427,10.628 93.737,11.938 99.441,11.938 100.711,13.208 100.711,14.277 97.191,17.797 97.191,18.419 97.409,18.637 v1(97.409,18.72) ; v4(99.043,23.097) 99.255,23.012 99.517,23.012 v1(99.898,23.139)
  BOTTOM w0.102: v1(97.409,18.72) 97.409,19.35 98.125,20.066 98.679,20.066 99.289,20.676 99.289,20.998 99.281,21.006 99.281,21.285 99.289,21.293 99.289,21.387 99.898,21.996 v1(99.898,23.139)
ADC5_RX1_I2S0DIN_GP14: J9.12 J20.6 SB61.1 U1.D6 | length 58.3
  TOP w0.102: J20.6@61.468,1.27 J9.12@61.468,3.492 v1(61.468,7.239) 62.484,7.239 62.861,7.616 62.861,11.916 63.976,13.031 63.976,13.21 SB61.1@64.008,13.242
  LY3 - SIG w0.089: v1(61.468,7.239) 62.865,7.239 64.389,8.763 68.072,8.763 73.198,13.889 87.803,13.889 94.996,21.082 95.25,21.336 v4(95.25,21.59)
  LY4 - GND w0.076: v4(95.25,21.59) 96.037,22.377 96.037,23.012 96.698,23.673 98.438,23.673 v4(98.693,23.447)
ADC6_I2S0WS_TX23_GP13: J9.14 J20.7 SB59.1 U1.D5 | length 54.2
  TOP w0.102: J20.7@64.008,1.27 J9.14@64.008,3.48 ; J9.14@64.008,3.492 64.008,6.149 v1(65.09,7.23) 65.135,7.23 65.405,7.501 65.405,12.319 66.192,13.106 66.501,13.106
  LY3 - SIG w0.089: v1(65.09,7.23) 65.86,8.001 67.945,8.001 73.367,13.423 87.845,13.423 94.996,20.574 95.631,21.209 v4(95.631,21.59)
  LY4 - GND w0.076: v4(95.631,21.59) 96.241,22.2 96.241,22.962 96.749,23.47 98.245,23.47 v4(98.693,23.097)
ADC7_I2S0DAT_TX01_CMRF2_I2S0DOUT_GP12: J9.16 J20.8 SB81.2 U1.B4 | length 142.9
  TOP w0.089: 40.335,42.62 40.37,42.654 40.37,44.767 40.767,45.164 v1(40.767,45.212)
  TOP w0.102: J20.8@66.548,1.27 J9.16@66.548,3.492 66.548,7.011 66.711,7.173 v1(66.711,7.26)
  LY2 - GND w0.076: v2(96.266,22.86) 96.672,23.266 97.268,23.266 97.788,22.747 v3(97.993,22.747)
  LY3 - SIG w0.089: v1(66.711,7.26) v1@66.745,7.225 ; v1(89.492,19.843) 89.536,19.843 89.914,19.465 92.109,19.465 94.742,22.098 95.504,22.098 v2(96.266,22.86)
  LY6 - SIG w0.089: v1(66.711,7.26) 64.827,9.144 53.975,9.144 52.582,10.537 52.582,20.195 41.107,31.669 41.107,33.439 44.511,36.843 44.511,41.373 40.874,45.01 40.874,45.015 40.767,45.122 v1(40.767,45.212) 41.91,45.212 42.164,44.958 44.45,44.958 44.958,44.45 71.731,44.45 81.788,34.393 81.788,23.359 84.573,20.574 88.762,20.574 v1(89.492,19.843)
AP4_USB_N: J4.A7 J4.B7 U1.M8 U6.2 | length 120.3
  TOP w0.102: J4.B7@7.206,23.973 7.272,24.039 7.649,24.039 7.698,24.088 7.733,24.088 7.836,24.19 v1(7.922,24.19) ; J4.A7@8.854,23.223 9.279,23.223 v1(9.525,23.47) ; U6.2@15.075,22.555 15.075,23.076 15.316,23.317 v1(16.002,23.317) ; U1.M8@101.493,24.147 101.512,24.128 101.581,24.128 101.586,24.124 103.24,24.124 103.366,24.249 104.276,24.249 104.893,24.867 105.332,24.867 105.421,24.956 105.421,25.26 105.511,25.349 105.637,25.349 105.726,25.26 105.726,24.956 105.815,24.867 105.97,24.867 106.02,24.917 106.02,25.019 106.121,25.121 v1(106.248,25.121)
  BOTTOM w0.102: v1(7.922,24.19) 7.836,24.19 7.733,24.088 7.698,24.088 7.512,23.901 7.346,23.901 7.089,24.153 7.089,25.554 7.595,26.06 8.48,26.06 8.863,25.677 8.863,24.08 9.518,23.544 v1(9.525,23.47) 9.528,23.467 15.726,23.467 15.82,23.373 15.946,23.373 v1(16.002,23.317) 16.053,23.317 16.109,23.373 16.184,23.373 16.293,23.482 29.959,23.482 31.242,24.765 81.458,24.765 86.284,29.591 101.07,29.591 101.832,30.353 102.638,30.353 107.137,25.853 107.137,25.328 106.778,24.968 106.401,24.968 v1(106.248,25.121)
AP4_USB_P: J4.A6 J4.B6 U1.M7 U6.3 | length 120.9
  TOP w0.102: J4.B6@7.206,23.472 7.209,23.47 7.696,23.47 7.849,23.623 v1(7.891,23.623) ; J4.A6@8.854,24.224 9.357,24.224 v1(9.564,24.017) ; U6.3@15.075,24.486 15.075,23.965 15.291,23.749 15.812,23.749 15.82,23.757 15.946,23.757 16.002,23.812 v1(16.002,23.866) ; U1.M7@101.493,23.797 101.52,23.797 101.592,23.87 103.345,23.87 103.471,23.995 104.381,23.995 104.998,24.613 106.159,24.613 v1(106.248,24.524)
  BOTTOM w0.102: v1(7.891,23.623) 7.267,23.623 7.196,23.692 7.168,23.72 6.835,24.046 6.835,25.66 7.489,26.314 8.585,26.314 8.687,26.213 9.117,25.782 9.117,24.27 v1(9.564,24.017) 9.564,24.005 9.848,23.721 15.784,23.721 15.82,23.757 15.893,23.757 v1(16.002,23.866) 16.111,23.757 16.184,23.757 16.204,23.736 29.854,23.736 31.136,25.019 81.352,25.019 86.178,29.845 100.965,29.845 101.727,30.607 102.532,30.607 102.743,30.607 107.391,25.959 107.391,25.222 106.883,24.714 106.439,24.714 v1(106.248,24.524)
AT_USB_N: J6.A7 J6.B7 U8.2 U22.M8 | length 36.5
  TOP w0.102: J6.B7@7.206,36.825 7.457,36.825 7.729,37.097 v1(7.963,37.097) ; J6.A7@8.854,36.076 8.854,36.159 9.154,36.459 9.495,36.459 v1(9.604,36.35) ; U8.2@14.719,32.461 14.719,32.869 15.095,33.245 15.218,33.245 15.291,33.172 v1(15.4,33.172) 15.467,33.172 15.62,33.325 15.938,33.325 18.034,35.421 18.034,38.354 19.144,39.464 24.538,39.464 24.585,39.418 U22.M8@24.612,39.418
  BOTTOM w0.102: v1(7.963,37.097) 8.369,37.097 8.687,37.414 8.687,38.557 9.082,38.953 9.293,38.953 ; 9.293,38.953 10.113,38.953 ; 10.113,38.953 10.323,38.953 10.876,38.4 10.876,37.534 10.877,37.127 10.352,36.603 9.992,36.603 9.74,36.35 v1(9.604,36.35) 9.324,36.35 9.195,36.22 9.195,33.688 9.411,33.472 12.375,33.472 13.893,31.954 15.822,31.954 16.002,32.135 16.002,33.144 15.837,33.31 15.528,33.31 15.4,33.182 v1(15.4,33.172)
AT_USB_P: J6.A6 J6.B6 U8.3 U22.M7 | length 37.4
  TOP w0.102: J6.B6@7.206,36.325 7.457,36.325 7.676,36.543 v1(7.924,36.543) ; J6.A6@8.854,37.076 9.09,36.841 9.387,36.841 9.427,36.881 9.566,36.881 9.583,36.899 v1(9.591,36.899) ; U8.3@14.719,34.392 14.719,33.951 14.993,33.677 15.211,33.677 15.265,33.731 v1(15.4,33.731) 15.467,33.731 15.62,33.579 15.832,33.579 17.78,35.526 17.78,38.459 19.039,39.718 24.536,39.718 24.585,39.768 U22.M7@24.612,39.768
  BOTTOM w0.102: v1(7.924,36.543) 8.175,36.543 8.941,37.309 8.941,38.452 9.188,38.699 10.218,38.699 10.622,38.294 10.622,37.428 10.623,37.232 10.247,36.857 9.883,36.857 9.841,36.899 v1(9.591,36.899) 9.591,36.789 9.404,36.789 8.941,36.326 8.941,33.583 9.305,33.218 12.269,33.218 13.787,31.7 13.998,31.7 15.927,31.7 16.256,32.029 16.256,33.25 15.942,33.564 15.64,33.564 15.582,33.621 15.494,33.621 15.4,33.715 v1(15.4,33.731)
CMIN0_M1MISO_TE_GP10: J11.5 J23.3 U1.E6 | length 60.3
  TOP w0.102: v1(58.42,46.99) J23.3@58.42,49.53 J11.5@58.42,51.752
  LY3 - SIG w0.076: v2(99.043,23.447) v5(99.441,23.406)
  LY6 - SIG w0.089: v1(58.42,46.99) 58.901,46.509 72.815,46.509 84.051,35.273 84.051,27.836 88.442,23.445 99.402,23.445 v5(99.441,23.406)
CMIN1_I2S0CK_RX23_GP11: J11.7 J23.4 U1.E4 | length 66.9
  TOP w0.102: v1(55.88,46.609) J23.4@55.88,49.53 J11.7@55.88,51.752
  LY4 - GND w0.076: 98.4,21.133 98.4,21.361 98.882,21.844 98.882,22.586 v4(99.043,22.747)
  LY4 - GND w0.102: v1(97.536,20.066) 97.536,20.269 98.4,21.133
  LY6 - SIG w0.089: v1(55.88,46.609) 56.484,46.005 72.592,46.005 83.439,35.158 83.439,25.273 86.36,22.352 90.678,22.352 92.456,20.574 92.729,20.301 97.301,20.301 v1(97.536,20.066)
CMRF0_M1SDA_M1MOSI_GP9: J11.1 J23.1 U1.E7 | length 56.4
  TOP w0.102: v1(63.49,46.99) 63.495,46.995 63.495,49.525 J23.1@63.5,49.53 J11.1@63.5,51.752
  LY3 - SIG w0.076: v2(99.043,23.797) 99.29,23.749 99.747,23.749 v5(100.051,23.622)
  LY6 - SIG w0.076: 99.2,23.749 99.746,23.749 v5(100.051,23.622)
  LY6 - SIG w0.089: v1(63.49,46.99) 72.708,46.99 84.356,35.343 84.356,28.039 88.734,23.661 89.924,23.661 90.103,23.662 95.924,23.661 96.012,23.749 99.2,23.749
CMRF1_M1SCL_M1SCK_GP8: J11.3 J23.2 U1.E8 | length 57.5
  TOP w0.102: J11.3@60.96,51.752 J23.2@60.96,49.53 60.967,49.523 60.967,47.335 v1(60.974,47.328)
  LY3 - SIG w0.076: v2(99.043,24.147) v5(99.441,24.079)
  LY6 - SIG w0.089: v1(60.974,47.328) 61.024,47.328 61.193,47.497 72.575,47.497 84.657,35.415 84.657,28.151 86.973,25.834 86.973,25.831 87.363,25.441 87.369,25.441 88.933,23.877 89.834,23.877 90.013,23.878 93.392,23.878 95.861,23.877 96.063,24.079 v5(99.441,24.079)
D0_N: C69.2 SB50.2 SB63.1 SB64.1 SB73.1 | length 31.6
  TOP w0.102: 89.002,23.825 89.002,25.146 88.582,25.565 88.582,25.648 87.63,26.6 87.63,28.899 93.021,34.29 93.345,34.29 v1(93.472,34.417) ; v1(96.749,42.291) 97.282,42.291 98.679,43.688 SB64.1@101.193,43.688
  LY3 - SIG w0.089: v1(93.472,34.417) 93.472,36.068 96.139,38.735 96.139,41.986 96.444,42.291 v1(96.749,42.291)
  BOTTOM w0.102: v1(96.749,42.291) 97.511,43.053 98.933,43.053 99.263,42.723 99.72,42.723
D0_P: C68.2 SB49.2 SB62.1 SB67.1 | length 31
  TOP w0.089: SB62.1@101.13,46.933 101.171,46.973 SB62.1@101.296,46.973
  TOP w0.102: 88.951,27.838 88.951,26.416 88.849,26.314 88.367,26.314 88.011,26.67 88.011,28.855 92.938,33.782 93.344,33.782 v1(93.378,33.748) ; 98.712,46.805 98.712,46.347 99.187,45.872 v1@99.187,45.491 ; v1@99.294,45.429 100.771,46.906 101.103,46.906 SB62.1@101.13,46.933
  LY3 - SIG w0.089: v1(93.378,33.748) 93.353,33.748 93,34.101 93,36.104 95.758,38.862 95.758,42.443 98.704,45.39 v1(99.193,45.39)
D1_N: C71.2 SB52.2 SB70.1 SB71.1 SB72.1 | length 26.4
  TOP w0.102: 92.304,31.547 93.878,31.547 94.031,31.699 94.513,32.181 94.513,32.82 94.368,32.966 94.368,33.464 94.536,33.633 v1(94.536,33.72) ; v1(103.33,47.119) 103.404,47.119 103.85,47.565 SB70.1@103.85,48.161 ; SB70.1@104.025,48.218 SB71.1@106.396,48.218
  LY3 - SIG w0.089: v1(94.536,33.72) 94.488,33.768 94.488,35.433 97.282,38.227 97.282,41.631 102.755,47.104 103.314,47.104 v1(103.33,47.119)
  BOTTOM w0.102: v1(103.33,47.119) 103.355,47.119 103.734,47.498 104.369,47.498
D1_P: C70.2 SB51.2 SB68.1 SB69.1 SB74.1 | length 33.9
  TOP w0.102: v1(94.844,33.147) 94.869,33.122 94.869,32.182 95.352,31.699 95.527,31.523 97.563,31.523 97.587,31.547 ; SB69.1@108.907,48.156 110.177,48.156 110.302,48.031 110.475,48.031 110.596,48.152 SB68.1@111.229,48.152
  LY3 - SIG w0.089: v1(94.844,33.147) 94.383,33.147 94.055,33.475 94.055,33.835 94.107,33.887 94.107,35.56 96.901,38.354 96.901,41.783 98.576,43.458 98.579,43.458 99.493,44.372 99.493,44.375 103.124,48.006 110.363,48.006 v1(110.388,48.031)
  BOTTOM w0.102: v1(110.388,48.031) 111.43,48.031